# Altium PCB PCB1.PcbDoc (part 7 of 14)
Units mm, origin at the board's own origin, x right, y up, seen from the top; angles counter-clockwise.
Board outline 77.2 x 62.23 mm, 2 copper layers (Top Layer, Bottom Layer); 102 components, 131 nets, 23089 pads, 324 vias.
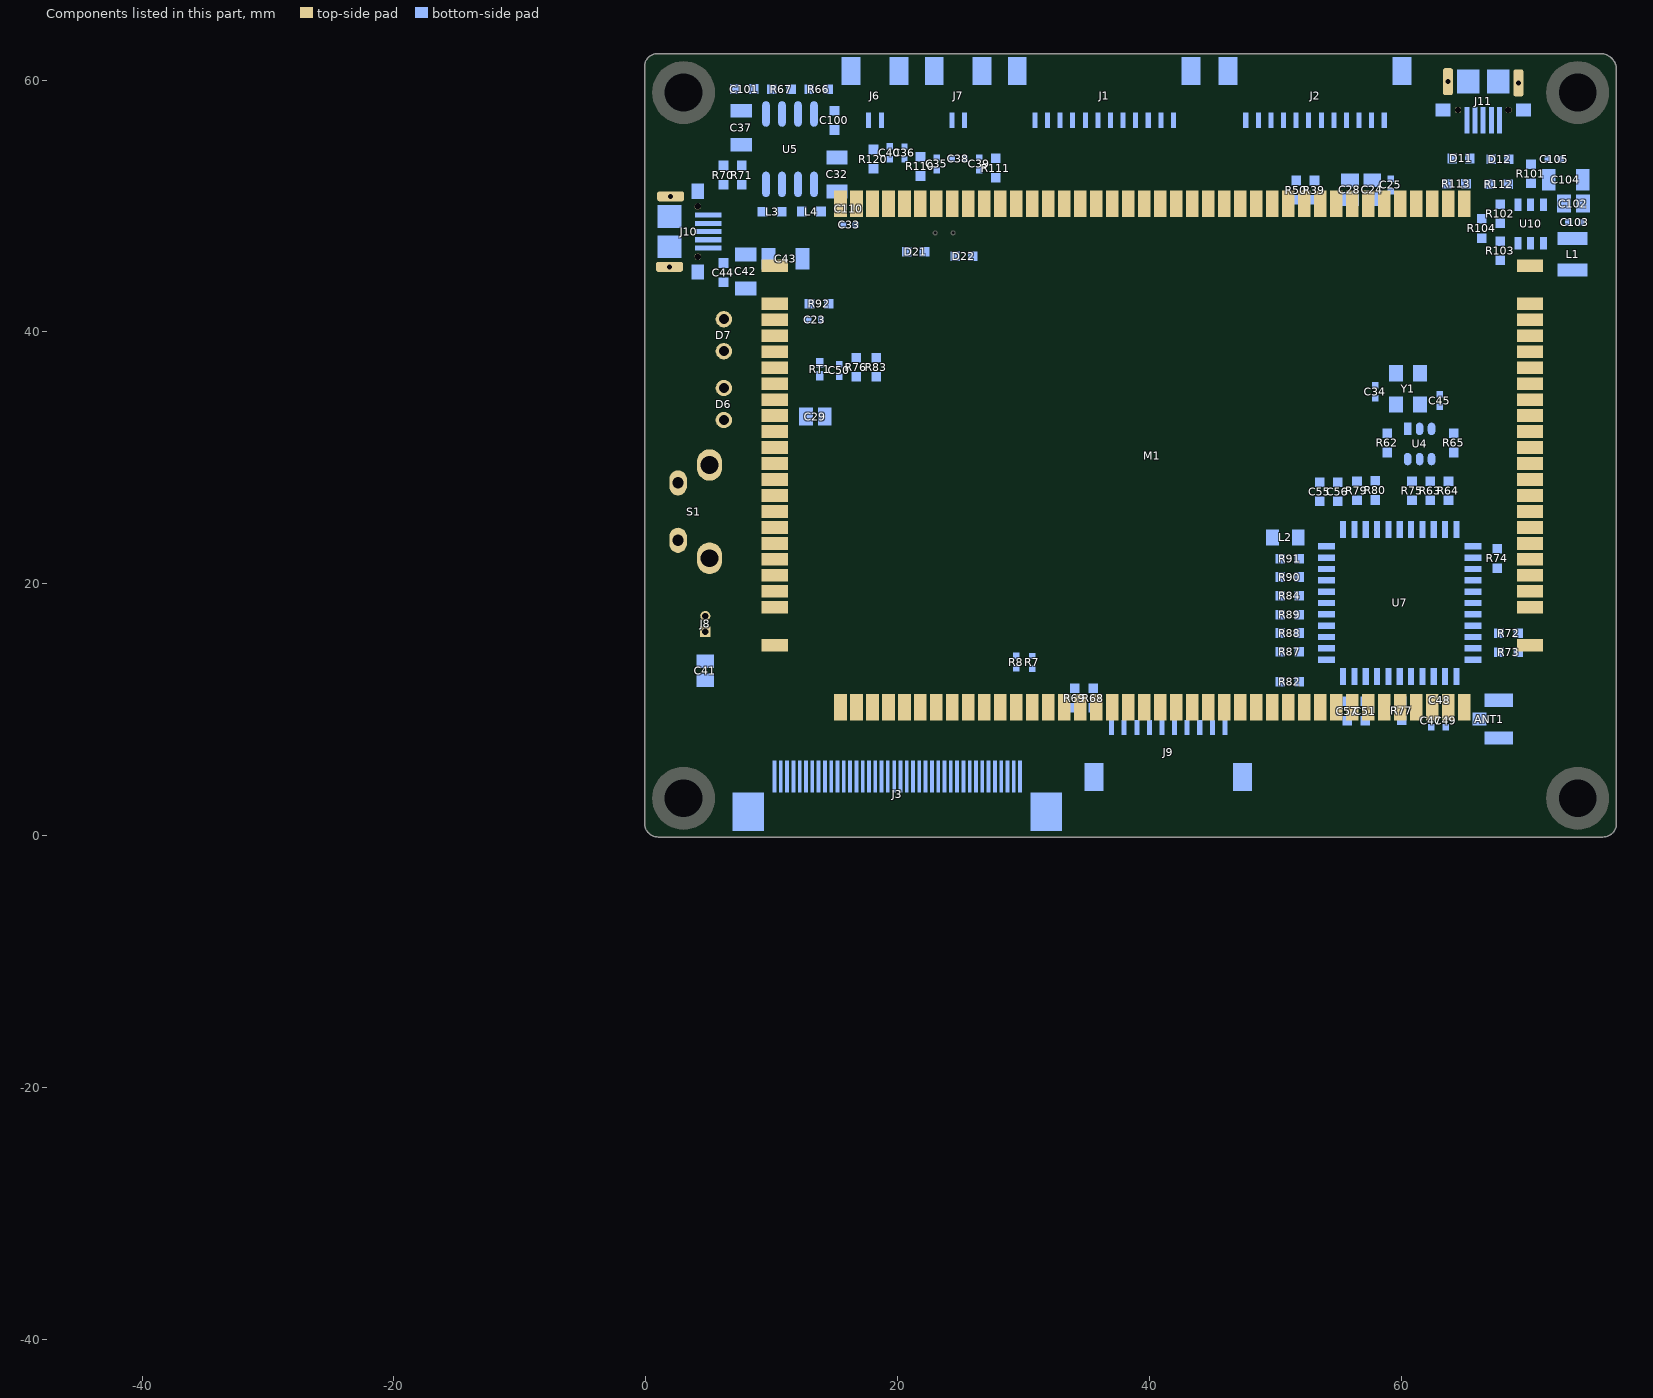
[diagram p7: the components of this part, seen from the top]

## Free pads (board coordinates) (continued)
  round 0 on Mech2: 1(-45.27,-40.496) 1(-45.27,-40.496) 1(-45.27,-40.47) 1(-45.27,-40.47) 1(-45.27,-40.47) 1(-45.27,-40.47) 1(-45.27,-40.47) 1(-45.27,-40.47) 1(-45.27,-40.492) 1(-45.27,-40.492) 1(-45.27,-40.492) 1(-45.27,-40.492) 1(-45.27,-40.492) 1(-45.27,-40.492) 1(-45.27,-40.491) 1(-45.27,-40.491) 1(-45.27,-40.491) 1(-45.27,-40.491) 1(-45.27,-40.491) 1(-45.27,-40.491) 1(-45.27,-40.484) 1(-45.27,-40.484) 1(-45.27,-40.484) 1(-45.27,-40.484) 1(-45.27,-40.484) 1(-45.27,-40.484) 1(-45.269,-40.508) 1(-45.269,-40.508) 1(-45.269,-40.508) 1(-45.269,-40.507) 1(-45.269,-40.507) 1(-45.269,-40.507) 1(-45.269,-40.507) 1(-45.269,-40.507) 1(-45.269,-40.507) 1(-45.269,-40.505) 1(-45.269,-40.505) 1(-45.269,-40.505) 1(-45.269,-40.505) 1(-45.269,-40.505) 1(-45.269,-40.505) 1(-45.269,-40.505) 1(-45.269,-40.505) 1(-45.269,-40.505) 1(-45.269,-40.505) 1(-45.269,-40.505) 1(-45.269,-40.505) 1(-45.269,-40.505) 1(-45.269,-40.505) 1(-45.269,-40.505) 1(-45.269,-40.504) 1(-45.269,-40.504) 1(-45.269,-40.504) 1(-45.269,-40.503) 1(-45.269,-40.503) 1(-45.269,-40.503) 1(-45.269,-40.503) 1(-45.269,-40.503) 1(-45.269,-40.503) 1(-45.269,-40.502) 1(-45.269,-40.502) 1(-45.269,-40.502) 1(-45.269,-40.502) 1(-45.269,-40.502) 1(-45.269,-40.502) 1(-45.269,-40.506) 1(-45.269,-40.506) 1(-45.269,-40.506) 1(-45.269,-40.506) 1(-45.269,-40.506) 1(-45.269,-40.506) 1(-45.269,-40.469) 1(-45.269,-40.469) 1(-45.269,-40.469) 1(-45.269,-40.469) 1(-45.269,-40.469) 1(-45.269,-40.469) 1(-45.269,-40.469) 1(-45.269,-40.469) 1(-45.269,-40.469) 1(-45.269,-40.469) 1(-45.269,-40.469) 1(-45.269,-40.469) 1(-45.269,-40.466) 1(-45.269,-40.466) 1(-45.269,-40.466) 1(-45.269,-40.475) 1(-45.269,-40.475) 1(-45.269,-40.475) 1(-45.269,-40.509) 1(-45.269,-40.509) 1(-45.269,-40.509) 1(-45.269,-40.47) 1(-45.269,-40.47) 1(-45.269,-40.47) 1(-45.269,-40.47) 1(-45.269,-40.47) 1(-45.269,-40.47) 1(-45.269,-40.497) 1(-45.269,-40.497) 1(-45.269,-40.497) 1(-45.269,-40.497) 1(-45.269,-40.497) 1(-45.269,-40.497) 1(-45.269,-40.471) 1(-45.269,-40.471) 1(-45.269,-40.471) 1(-45.269,-40.471) 1(-45.269,-40.471) 1(-45.269,-40.471) 1(-45.269,-40.506) 1(-45.269,-40.506) 1(-45.269,-40.506) 1(-45.269,-40.506) 1(-45.269,-40.506) 1(-45.269,-40.506) 1(-45.269,-40.517) 1(-45.269,-40.517) 1(-45.269,-40.517) 1(-45.269,-40.47) 1(-45.269,-40.47) 1(-45.269,-40.47) 1(-45.269,-40.47) 1(-45.269,-40.47) 1(-45.269,-40.47) 1(-45.269,-40.503) 1(-45.269,-40.503) 1(-45.269,-40.503) 1(-45.269,-40.503) 1(-45.269,-40.503) 1(-45.269,-40.503) 1(-45.269,-40.501) 1(-45.269,-40.501) 1(-45.269,-40.501) 1(-45.269,-40.501) 1(-45.269,-40.501) 1(-45.269,-40.501) 1(-45.269,-40.505) 1(-45.269,-40.505) 1(-45.269,-40.505) 1(-45.269,-40.505) 1(-45.269,-40.505) 1(-45.269,-40.505) 1(-45.269,-40.504) 1(-45.269,-40.504) 1(-45.269,-40.504) 1(-45.269,-40.504) 1(-45.269,-40.504) 1(-45.269,-40.504) 1(-45.269,-40.49) 1(-45.269,-40.49) 1(-45.269,-40.49) 1(-45.269,-40.49) 1(-45.269,-40.49) 1(-45.269,-40.49) 1(-45.269,-40.489) 1(-45.269,-40.489) 1(-45.269,-40.489) 1(-45.269,-40.489) 1(-45.269,-40.489) 1(-45.269,-40.489) 1(-45.269,-40.507) 1(-45.269,-40.507) 1(-45.269,-40.507) 1(-45.269,-40.488) 1(-45.269,-40.488) 1(-45.269,-40.488) 1(-45.269,-40.489) 1(-45.269,-40.489) 1(-45.269,-40.489) 1(-45.269,-40.497) 1(-45.269,-40.497) 1(-45.269,-40.497) 1(-45.268,-40.503) 1(-45.268,-40.503) 1(-45.268,-40.503) 1(-45.268,-40.503) 1(-45.268,-40.503) 1(-45.268,-40.503) 1(-45.268,-40.499) 1(-45.268,-40.499) 1(-45.268,-40.499) 1(-45.268,-40.499) 1(-45.268,-40.499) 1(-45.268,-40.499) 1(-45.268,-40.475) 1(-45.268,-40.475) 1(-45.268,-40.475) 1(-45.268,-40.469) 1(-45.268,-40.469) 1(-45.268,-40.469) 1(-45.268,-40.469) 1(-45.268,-40.469) 1(-45.268,-40.469) 1(-45.268,-40.466) 1(-45.268,-40.466) 1(-45.268,-40.466) 1(-45.268,-40.471) 1(-45.268,-40.471) 1(-45.268,-40.471) 1(-45.268,-40.471) 1(-45.268,-40.471) 1(-45.268,-40.471) 1(-45.268,-40.469) 1(-45.268,-40.469) 1(-45.268,-40.469) 1(-45.268,-40.469) 1(-45.268,-40.469) 1(-45.268,-40.469) 1(-45.268,-40.469) 1(-45.268,-40.469) 1(-45.268,-40.469) 1(-45.268,-40.505) 1(-45.268,-40.505) 1(-45.268,-40.505) 1(-45.268,-40.505) 1(-45.268,-40.505) 1(-45.268,-40.505) 1(-45.268,-40.484) 1(-45.268,-40.484) 1(-45.268,-40.484) 1(-45.268,-40.471) 1(-45.268,-40.471) 1(-45.268,-40.471) 1(-45.268,-40.471) 1(-45.268,-40.471) 1(-45.268,-40.471) 1(-45.268,-40.505) 1(-45.268,-40.505) 1(-45.268,-40.505) 1(-45.268,-40.505) 1(-45.268,-40.505) 1(-45.268,-40.505) 1(-45.268,-40.505) 1(-45.268,-40.505) 1(-45.268,-40.505) 1(-45.268,-40.505) 1(-45.268,-40.505) 1(-45.268,-40.505) 1(-45.268,-40.51) 1(-45.268,-40.51) 1(-45.268,-40.51) 1(-45.268,-40.51) 1(-45.268,-40.51) 1(-45.268,-40.51) 1(-45.268,-40.51) 1(-45.268,-40.51) 1(-45.268,-40.51) 1(-45.268,-40.51) 1(-45.268,-40.51) 1(-45.268,-40.51) 1(-45.268,-40.465) 1(-45.268,-40.465) 1(-45.268,-40.465) 1(-45.268,-40.509) 1(-45.268,-40.509) 1(-45.268,-40.509) 1(-45.268,-40.509) 1(-45.268,-40.509) 1(-45.268,-40.509) 1(-45.268,-40.508) 1(-45.268,-40.508) 1(-45.268,-40.508) 1(-45.268,-40.508) 1(-45.268,-40.508) 1(-45.268,-40.508) 1(-45.268,-40.507) 1(-45.268,-40.507) 1(-45.268,-40.507) 1(-45.268,-40.507) 1(-45.268,-40.507) 1(-45.268,-40.507) 1(-45.268,-40.495) 1(-45.268,-40.495) 1(-45.268,-40.495) 1(-45.268,-40.494) 1(-45.268,-40.494) 1(-45.268,-40.494) 1(-45.268,-40.499) 1(-45.268,-40.499) 1(-45.268,-40.499) 1(-45.268,-40.499) 1(-45.268,-40.499) 1(-45.268,-40.499) 1(-45.268,-40.503) 1(-45.268,-40.503) 1(-45.268,-40.503) 1(-45.268,-40.503) 1(-45.268,-40.503) 1(-45.268,-40.503) 1(-45.268,-40.504) 1(-45.268,-40.504) 1(-45.268,-40.504) 1(-45.268,-40.504) 1(-45.268,-40.504) 1(-45.268,-40.504) 1(-45.268,-40.507) 1(-45.268,-40.507) 1(-45.268,-40.507) 1(-45.268,-40.507) 1(-45.268,-40.507) 1(-45.268,-40.507) 1(-45.268,-40.5) 1(-45.268,-40.5) 1(-45.268,-40.5) 1(-45.268,-40.477) 1(-45.268,-40.477) 1(-45.268,-40.477) 1(-45.268,-40.476) 1(-45.268,-40.476) 1(-45.268,-40.476) 1(-45.268,-40.476) 1(-45.268,-40.476) 1(-45.268,-40.476) 1(-45.268,-40.515) 1(-45.268,-40.515) 1(-45.268,-40.515) 1(-45.268,-40.511) 1(-45.268,-40.511) 1(-45.268,-40.511) 1(-45.268,-40.511) 1(-45.268,-40.511) 1(-45.268,-40.511) 1(-45.268,-40.476) 1(-45.268,-40.476) 1(-45.268,-40.476) 1(-45.268,-40.476) 1(-45.268,-40.476) 1(-45.268,-40.476) 1(-45.268,-40.491) 1(-45.268,-40.491) 1(-45.268,-40.491) 1(-45.268,-40.491) 1(-45.268,-40.491) 1(-45.268,-40.491) 1(-45.268,-40.483) 1(-45.268,-40.483) 1(-45.268,-40.483) 1(-45.268,-40.483) 1(-45.268,-40.483) 1(-45.268,-40.483) 1(-45.268,-40.502) 1(-45.268,-40.502) 1(-45.268,-40.502) 1(-45.268,-40.5) 1(-45.268,-40.5) 1(-45.268,-40.5) 1(-45.268,-40.499) 1(-45.268,-40.499) 1(-45.268,-40.499) 1(-45.268,-40.499) 1(-45.268,-40.499) 1(-45.268,-40.499) 1(-45.268,-40.498) 1(-45.268,-40.498) 1(-45.268,-40.498) 1(-45.268,-40.497) 1(-45.268,-40.497) 1(-45.268,-40.497) 1(-45.268,-40.497) 1(-45.268,-40.497) 1(-45.268,-40.497) 1(-45.268,-40.492) 1(-45.268,-40.492) 1(-45.268,-40.492) 1(-45.268,-40.5) 1(-45.268,-40.5) 1(-45.268,-40.5) 1(-45.268,-40.5) 1(-45.268,-40.5) 1(-45.268,-40.5) 1(-45.268,-40.497) 1(-45.268,-40.497) 1(-45.268,-40.497) 1(-45.268,-40.497) 1(-45.268,-40.497) 1(-45.268,-40.497) 1(-45.267,-40.469) 1(-45.267,-40.469) 1(-45.267,-40.469) 1(-45.267,-40.469) 1(-45.267,-40.469) 1(-45.267,-40.469) 1(-45.267,-40.47) 1(-45.267,-40.47) 1(-45.267,-40.47) 1(-45.267,-40.47) 1(-45.267,-40.47) 1(-45.267,-40.47) 1(-45.267,-40.47) 1(-45.267,-40.47) 1(-45.267,-40.47) 1(-45.267,-40.469) 1(-45.267,-40.469) 1(-45.267,-40.469) 1(-45.267,-40.469) 1(-45.267,-40.469) 1(-45.267,-40.469) 1(-45.267,-40.517) 1(-45.267,-40.517) 1(-45.267,-40.517) 1(-45.267,-40.508) 1(-45.267,-40.508) 1(-45.267,-40.508) 1(-45.267,-40.508) 1(-45.267,-40.508) 1(-45.267,-40.508) 1(-45.267,-40.508) 1(-45.267,-40.508) 1(-45.267,-40.508) 1(-45.267,-40.501) 1(-45.267,-40.501) 1(-45.267,-40.501) 1(-45.267,-40.501) 1(-45.267,-40.501) 1(-45.267,-40.501) 1(-45.267,-40.507) 1(-45.267,-40.507) 1(-45.267,-40.507) 1(-45.267,-40.506) 1(-45.267,-40.506) 1(-45.267,-40.506) 1(-45.267,-40.506) 1(-45.267,-40.506) 1(-45.267,-40.506) 1(-45.267,-40.506) 1(-45.267,-40.506) 1(-45.267,-40.506) 1(-45.267,-40.505) 1(-45.267,-40.505) 1(-45.267,-40.505) 1(-45.267,-40.505) 1(-45.267,-40.505) 1(-45.267,-40.505) 1(-45.267,-40.505) 1(-45.267,-40.505) 1(-45.267,-40.505) 1(-45.267,-40.504) 1(-45.267,-40.504) 1(-45.267,-40.504) 1(-45.267,-40.504) 1(-45.267,-40.504) 1(-45.267,-40.504) 1(-45.267,-40.503) 1(-45.267,-40.503) 1(-45.267,-40.503) 1(-45.267,-40.503) 1(-45.267,-40.503) 1(-45.267,-40.503) 1(-45.267,-40.503) 1(-45.267,-40.503) 1(-45.267,-40.503) 1(-45.267,-40.496) 1(-45.267,-40.496) 1(-45.267,-40.496) 1(-45.267,-40.496) 1(-45.267,-40.496) 1(-45.267,-40.496) 1(-45.267,-40.483) 1(-45.267,-40.483) 1(-45.267,-40.483) 1(-45.267,-40.483) 1(-45.267,-40.483) 1(-45.267,-40.483) 1(-45.267,-40.476) 1(-45.267,-40.476) 1(-45.267,-40.476) 1(-45.267,-40.509) 1(-45.267,-40.509) 1(-45.267,-40.509) 1(-45.267,-40.511) 1(-45.267,-40.511) 1(-45.267,-40.511) 1(-45.266,-40.508) 1(-45.266,-40.508) 1(-45.266,-40.508) 1(-45.266,-40.508) 1(-45.266,-40.508) 1(-45.266,-40.508) 1(-45.266,-40.508) 1(-45.266,-40.508) 1(-45.266,-40.508) 1(-45.266,-40.475) 1(-45.266,-40.475) 1(-45.266,-40.475) 1(-45.266,-40.495) 1(-45.266,-40.495) 1(-45.266,-40.495) 1(-45.266,-40.491) 1(-45.266,-40.491) 1(-45.266,-40.491) 1(-45.266,-40.49) 1(-45.266,-40.49) 1(-45.266,-40.49) 1(-45.266,-40.49) 1(-45.266,-40.49) 1(-45.266,-40.49) 1(-45.266,-40.483) 1(-45.266,-40.483) 1(-45.266,-40.483) 1(-45.266,-40.483) 1(-45.266,-40.483) 1(-45.266,-40.483) 1(-45.266,-40.503) 1(-45.266,-40.503) 1(-45.266,-40.503) 1(-45.266,-40.503) 1(-45.266,-40.503) 1(-45.266,-40.503) 1(-45.266,-40.497) 1(-45.266,-40.497) 1(-45.266,-40.497) 1(-45.266,-40.497) 1(-45.266,-40.497) 1(-45.266,-40.497) 1(-45.266,-40.502) 1(-45.266,-40.502) 1(-45.266,-40.502) 1(-45.266,-40.502) 1(-45.266,-40.502) 1(-45.266,-40.502) 1(-45.266,-40.5) 1(-45.266,-40.5) 1(-45.266,-40.5) 1(-45.266,-40.499) 1(-45.266,-40.499) 1(-45.266,-40.499) 1(-45.266,-40.499) 1(-45.266,-40.499) 1(-45.266,-40.499) 1(-45.266,-40.498) 1(-45.266,-40.498) 1(-45.266,-40.498) 1(-45.266,-40.506) 1(-45.266,-40.506) 1(-45.266,-40.506) 1(-45.266,-40.506) 1(-45.266,-40.506) 1(-45.266,-40.506) 1(-45.266,-40.504) 1(-45.266,-40.504) 1(-45.266,-40.504) 1(-45.266,-40.504) 1(-45.266,-40.504) 1(-45.266,-40.504) 1(-45.266,-40.469) 1(-45.266,-40.469) 1(-45.266,-40.469) 1(-45.266,-40.469) 1(-45.266,-40.469) 1(-45.266,-40.469) 1(-45.266,-40.471) 1(-45.266,-40.471) 1(-45.266,-40.471) 1(-45.266,-40.469) 1(-45.266,-40.469) 1(-45.266,-40.469) 1(-45.266,-40.505) 1(-45.266,-40.505) 1(-45.266,-40.505) 1(-45.266,-40.505) 1(-45.266,-40.505) 1(-45.266,-40.505) 1(-45.266,-40.504) 1(-45.266,-40.504) 1(-45.266,-40.504) 1(-45.266,-40.504) 1(-45.266,-40.504) 1(-45.266,-40.504) 1(-45.266,-40.503) 1(-45.266,-40.503) 1(-45.266,-40.503) 1(-45.266,-40.503) 1(-45.266,-40.503) 1(-45.266,-40.503) 1(-45.266,-40.496) 1(-45.266,-40.496) 1(-45.266,-40.496) 1(-45.266,-40.496) 1(-45.266,-40.496) 1(-45.266,-40.496) 1(-45.266,-40.483) 1(-45.266,-40.483) 1(-45.266,-40.483) 1(-45.266,-40.483) 1(-45.266,-40.483) 1(-45.266,-40.483) 1(-45.266,-40.515) 1(-45.266,-40.515) 1(-45.266,-40.515) 1(-45.266,-40.511) 1(-45.266,-40.511) 1(-45.266,-40.511) 1(-45.266,-40.511) 1(-45.266,-40.511) 1(-45.266,-40.511) 1(-45.266,-40.509) 1(-45.266,-40.509) 1(-45.266,-40.509) 1(-45.266,-40.509) 1(-45.266,-40.509) 1(-45.266,-40.509) 1(-45.266,-40.509) 1(-45.266,-40.509) 1(-45.266,-40.509) 1(-45.265,-40.507) 1(-45.265,-40.507) 1(-45.265,-40.507) 1(-45.265,-40.505) 1(-45.265,-40.505) 1(-45.265,-40.505) 1(-45.265,-40.505) 1(-45.265,-40.505) 1(-45.265,-40.505) 1(-45.265,-40.503) 1(-45.265,-40.503) 1(-45.265,-40.503) 1(-45.265,-40.503) 1(-45.265,-40.503) 1(-45.265,-40.503) 1(-45.265,-40.47) 1(-45.265,-40.47) 1(-45.265,-40.47) 1(-45.265,-40.47) 1(-45.265,-40.47) 1(-45.265,-40.47) 1(-45.265,-40.496) 1(-45.265,-40.496) 1(-45.265,-40.496) 1(-45.265,-40.496) 1(-45.265,-40.496) 1(-45.265,-40.496) 1(-45.265,-40.465) 1(-45.265,-40.465) 1(-45.265,-40.465) 1(-45.265,-40.499) 1(-45.265,-40.499) 1(-45.265,-40.499) 1(-45.265,-40.499) 1(-45.265,-40.499) 1(-45.265,-40.499) 1(-45.265,-40.511) 1(-45.265,-40.511) 1(-45.265,-40.511) 1(-45.265,-40.511) 1(-45.265,-40.511) 1(-45.265,-40.511) 1(-45.265,-40.517) 1(-45.265,-40.517) 1(-45.265,-40.517) 1(-45.265,-40.508) 1(-45.265,-40.508) 1(-45.265,-40.508) 1(-45.265,-40.508) 1(-45.265,-40.508) 1(-45.265,-40.508) 1(-45.265,-40.508) 1(-45.265,-40.508) 1(-45.265,-40.508) 1(-45.265,-40.476) 1(-45.265,-40.476) 1(-45.265,-40.476) 1(-45.265,-40.476) 1(-45.265,-40.476) 1(-45.265,-40.476) 1(-45.265,-40.471) 1(-45.265,-40.471) 1(-45.265,-40.471) 1(-45.265,-40.471) 1(-45.265,-40.471) 1(-45.265,-40.471) 1(-45.265,-40.478) 1(-45.265,-40.478) 1(-45.265,-40.478) 1(-45.265,-40.478) 1(-45.265,-40.478) 1(-45.265,-40.478) 1(-45.265,-40.505) 1(-45.265,-40.505) 1(-45.265,-40.505) 1(-45.265,-40.505) 1(-45.265,-40.505) 1(-45.265,-40.505) 1(-45.265,-40.5) 1(-45.265,-40.5) 1(-45.265,-40.5) 1(-45.265,-40.5) 1(-45.265,-40.5) 1(-45.265,-40.5) 1(-45.265,-40.493) 1(-45.265,-40.493) 1(-45.265,-40.493) 1(-45.265,-40.491) 1(-45.265,-40.491) 1(-45.265,-40.491) 1(-45.265,-40.483) 1(-45.265,-40.483) 1(-45.265,-40.483) 1(-45.265,-40.496) 1(-45.265,-40.496) 1(-45.265,-40.496) 1(-45.265,-40.487) 1(-45.265,-40.487) 1(-45.265,-40.487) 1(-45.265,-40.509) 1(-45.265,-40.509) 1(-45.265,-40.509) 1(-45.265,-40.47) 1(-45.265,-40.47) 1(-45.265,-40.47) 1(-45.265,-40.47) 1(-45.265,-40.47) 1(-45.265,-40.47) 1(-45.265,-40.51) 1(-45.265,-40.51) 1(-45.265,-40.51) 1(-45.265,-40.51) 1(-45.265,-40.51) 1(-45.265,-40.51) 1(-45.265,-40.509) 1(-45.265,-40.509) 1(-45.265,-40.509) 1(-45.264,-40.476) 1(-45.264,-40.476) 1(-45.264,-40.476) 1(-45.264,-40.476) 1(-45.264,-40.476) 1(-45.264,-40.476) 1(-45.264,-40.471) 1(-45.264,-40.471) 1(-45.264,-40.471) 1(-45.264,-40.471) 1(-45.264,-40.471) 1(-45.264,-40.471) 1(-45.264,-40.508) 1(-45.264,-40.508) 1(-45.264,-40.508) 1(-45.264,-40.51) 1(-45.264,-40.51) 1(-45.264,-40.51) 1(-45.264,-40.51) 1(-45.264,-40.51) 1(-45.264,-40.51) 1(-45.264,-40.499) 1(-45.264,-40.499) 1(-45.264,-40.499) 1(-45.264,-40.499) 1(-45.264,-40.499) 1(-45.264,-40.499) 1(-45.264,-40.511) 1(-45.264,-40.511) 1(-45.264,-40.511) 1(-45.264,-40.511) 1(-45.264,-40.511) 1(-45.264,-40.511) 1(-45.264,-40.502) 1(-45.264,-40.502) 1(-45.264,-40.502) 1(-45.264,-40.502) 1(-45.264,-40.502) 1(-45.264,-40.502) 1(-45.264,-40.5) 1(-45.264,-40.5) 1(-45.264,-40.5) 1(-45.264,-40.499) 1(-45.264,-40.499) 1(-45.264,-40.499) 1(-45.264,-40.499) 1(-45.264,-40.499) 1(-45.264,-40.499) 1(-45.264,-40.498) 1(-45.264,-40.498) 1(-45.264,-40.498) 1(-45.264,-40.504) 1(-45.264,-40.504) 1(-45.264,-40.504) 1(-45.264,-40.476) 1(-45.264,-40.476) 1(-45.264,-40.476) 1(-45.264,-40.476) 1(-45.264,-40.476) 1(-45.264,-40.476) 1(-45.264,-40.466) 1(-45.264,-40.466) 1(-45.264,-40.466) 1(-45.264,-40.466) 1(-45.264,-40.466) 1(-45.264,-40.466) 1(-45.264,-40.506) 1(-45.264,-40.506) 1(-45.264,-40.506) 1(-45.264,-40.515) 1(-45.264,-40.515) 1(-45.264,-40.515) 1(-45.264,-40.512) 1(-45.264,-40.512) 1(-45.264,-40.512) 1(-45.264,-40.512) 1(-45.264,-40.512) 1(-45.264,-40.512) 1(-45.263,-40.508) 1(-45.263,-40.508) 1(-45.263,-40.508) 1(-45.263,-40.508) 1(-45.263,-40.508) 1(-45.263,-40.508) 1(-45.263,-40.482) 1(-45.263,-40.482) 1(-45.263,-40.482) 1(-45.263,-40.519) 1(-45.263,-40.519) 1(-45.263,-40.519) 1(-45.263,-40.517) 1(-45.263,-40.517) 1(-45.263,-40.517) 1(-45.263,-40.509) 1(-45.263,-40.509) 1(-45.263,-40.509) 1(-45.263,-40.509) 1(-45.263,-40.509) 1(-45.263,-40.509) 1(-45.263,-40.509) 1(-45.263,-40.509) 1(-45.263,-40.509) 1(-45.263,-40.465) 1(-45.263,-40.465) 1(-45.263,-40.465) 1(-45.263,-40.465) 1(-45.263,-40.465) 1(-45.263,-40.465) 1(-45.263,-40.512) 1(-45.263,-40.512) 1(-45.263,-40.512) 1(-45.263,-40.512) 1(-45.263,-40.512) 1(-45.263,-40.512) 1(-45.263,-40.512) 1(-45.263,-40.512) 1(-45.263,-40.512) 1(-45.263,-40.512) 1(-45.263,-40.512) 1(-45.263,-40.512) 1(-45.263,-40.466) 1(-45.263,-40.466) 1(-45.263,-40.466) 1(-45.263,-40.466) 1(-45.263,-40.466) 1(-45.263,-40.466) 1(-45.263,-40.466) 1(-45.263,-40.466) 1(-45.263,-40.466) 1(-45.263,-40.463) 1(-45.263,-40.463) 1(-45.263,-40.463) 1(-45.263,-40.48) 1(-45.263,-40.48) 1(-45.263,-40.48) 1(-45.263,-40.48) 1(-45.263,-40.48) 1(-45.263,-40.48) 1(-45.263,-40.503) 1(-45.263,-40.503) 1(-45.263,-40.503) 1(-45.263,-40.503) 1(-45.263,-40.503) 1(-45.263,-40.503) 1(-45.263,-40.502) 1(-45.263,-40.502) 1(-45.263,-40.502) 1(-45.263,-40.499) 1(-45.263,-40.499) 1(-45.263,-40.499) 1(-45.263,-40.498) 1(-45.263,-40.498) 1(-45.263,-40.498) 1(-45.263,-40.465) 1(-45.263,-40.465) 1(-45.263,-40.465) 1(-45.263,-40.465) 1(-45.263,-40.465) 1(-45.263,-40.465) 1(-45.262,-40.472) 1(-45.262,-40.472) 1(-45.262,-40.472) 1(-45.262,-40.479) 1(-45.262,-40.479) 1(-45.262,-40.479) 1(-45.262,-40.479) 1(-45.262,-40.479) 1(-45.262,-40.479) 1(-45.262,-40.507) 1(-45.262,-40.507) 1(-45.262,-40.507) 1(-45.262,-40.507) 1(-45.262,-40.507) 1(-45.262,-40.507) 1(-45.262,-40.506) 1(-45.262,-40.506) 1(-45.262,-40.506) 1(-45.262,-40.498) 1(-45.262,-40.498) 1(-45.262,-40.498) 1(-45.262,-40.498) 1(-45.262,-40.498) 1(-45.262,-40.498) 1(-45.262,-40.498) 1(-45.262,-40.498) 1(-45.262,-40.498) 1(-45.262,-40.498) 1(-45.262,-40.498) 1(-45.262,-40.498) 1(-45.262,-40.478) 1(-45.262,-40.478) 1(-45.262,-40.478) 1(-45.262,-40.478) 1(-45.262,-40.478) 1(-45.262,-40.478) 1(-45.262,-40.475) 1(-45.262,-40.475) 1(-45.262,-40.475) 1(-45.262,-40.475) 1(-45.262,-40.475) 1(-45.262,-40.475) 1(-45.262,-40.501) 1(-45.262,-40.501) 1(-45.262,-40.501) 1(-45.262,-40.475) 1(-45.262,-40.475) 1(-45.262,-40.475) 1(-45.262,-40.475) 1(-45.262,-40.475) 1(-45.262,-40.475) 1(-45.262,-40.499) 1(-45.262,-40.499) 1(-45.262,-40.499) 1(-45.262,-40.499) 1(-45.262,-40.499) 1(-45.262,-40.499) 1(-45.262,-40.511) 1(-45.262,-40.511) 1(-45.262,-40.511) 1(-45.262,-40.511) 1(-45.262,-40.511) 1(-45.262,-40.511) 1(-45.262,-40.476) 1(-45.262,-40.476) 1(-45.262,-40.476) 1(-45.262,-40.476) 1(-45.262,-40.476) 1(-45.262,-40.476) 1(-45.262,-40.47) 1(-45.262,-40.47) 1(-45.262,-40.47) 1(-45.262,-40.47) 1(-45.262,-40.47) 1(-45.262,-40.47) 1(-45.262,-40.466) 1(-45.262,-40.466) 1(-45.262,-40.466) 1(-45.262,-40.508) 1(-45.262,-40.508) 1(-45.262,-40.508) 1(-45.262,-40.503) 1(-45.262,-40.503) 1(-45.262,-40.503) 1(-45.262,-40.508) 1(-45.262,-40.508) 1(-45.262,-40.508) 1(-45.262,-40.507) 1(-45.262,-40.507) 1(-45.262,-40.507) 1(-45.262,-40.507) 1(-45.262,-40.507) 1(-45.262,-40.507) 1(-45.262,-40.507) 1(-45.262,-40.507) 1(-45.262,-40.507) 1(-45.262,-40.476) 1(-45.262,-40.476) 1(-45.262,-40.476) 1(-45.262,-40.476) 1(-45.262,-40.476) 1(-45.262,-40.476) 1(-45.262,-40.504) 1(-45.262,-40.504) 1(-45.262,-40.504) 1(-45.262,-40.504) 1(-45.262,-40.504) 1(-45.262,-40.504) 1(-45.262,-40.498) 1(-45.262,-40.498) 1(-45.262,-40.498) 1(-45.262,-40.511) 1(-45.262,-40.511) 1(-45.262,-40.511) 1(-45.262,-40.511) 1(-45.262,-40.511) 1(-45.262,-40.511) 1(-45.261,-40.51) 1(-45.261,-40.51) 1(-45.261,-40.51) 1(-45.261,-40.51) 1(-45.261,-40.51) 1(-45.261,-40.51) 1(-45.261,-40.476) 1(-45.261,-40.476) 1(-45.261,-40.476) 1(-45.261,-40.476) 1(-45.261,-40.476) 1(-45.261,-40.476) 1(-45.261,-40.506) 1(-45.261,-40.506) 1(-45.261,-40.506) 1(-45.261,-40.506) 1(-45.261,-40.506) 1(-45.261,-40.506) 1(-45.261,-40.505) 1(-45.261,-40.505) 1(-45.261,-40.505) 1(-45.261,-40.505) 1(-45.261,-40.505) 1(-45.261,-40.505) 1(-45.261,-40.515) 1(-45.261,-40.515) 1(-45.261,-40.515) 1(-45.261,-40.497) 1(-45.261,-40.497) 1(-45.261,-40.497) 1(-45.261,-40.497) 1(-45.261,-40.497) 1(-45.261,-40.497) 1(-45.261,-40.51) 1(-45.261,-40.51) 1(-45.261,-40.51) 1(-45.261,-40.51) 1(-45.261,-40.51) 1(-45.261,-40.51) 1(-45.261,-40.51) 1(-45.261,-40.51) 1(-45.261,-40.51) 1(-45.261,-40.51) 1(-45.261,-40.51) 1(-45.261,-40.51) 1(-45.261,-40.51) 1(-45.261,-40.51) 1(-45.261,-40.51) 1(-45.261,-40.51) 1(-45.261,-40.51) 1(-45.261,-40.51) 1(-45.261,-40.509) 1(-45.261,-40.509) 1(-45.261,-40.509) 1(-45.261,-40.477) 1(-45.261,-40.477) 1(-45.261,-40.477) 1(-45.261,-40.477) 1(-45.261,-40.477) 1(-45.261,-40.477) 1(-45.261,-40.496) 1(-45.261,-40.496) 1(-45.261,-40.496) 1(-45.261,-40.496) 